# KiCad board keys.kicad_pcb (continued)
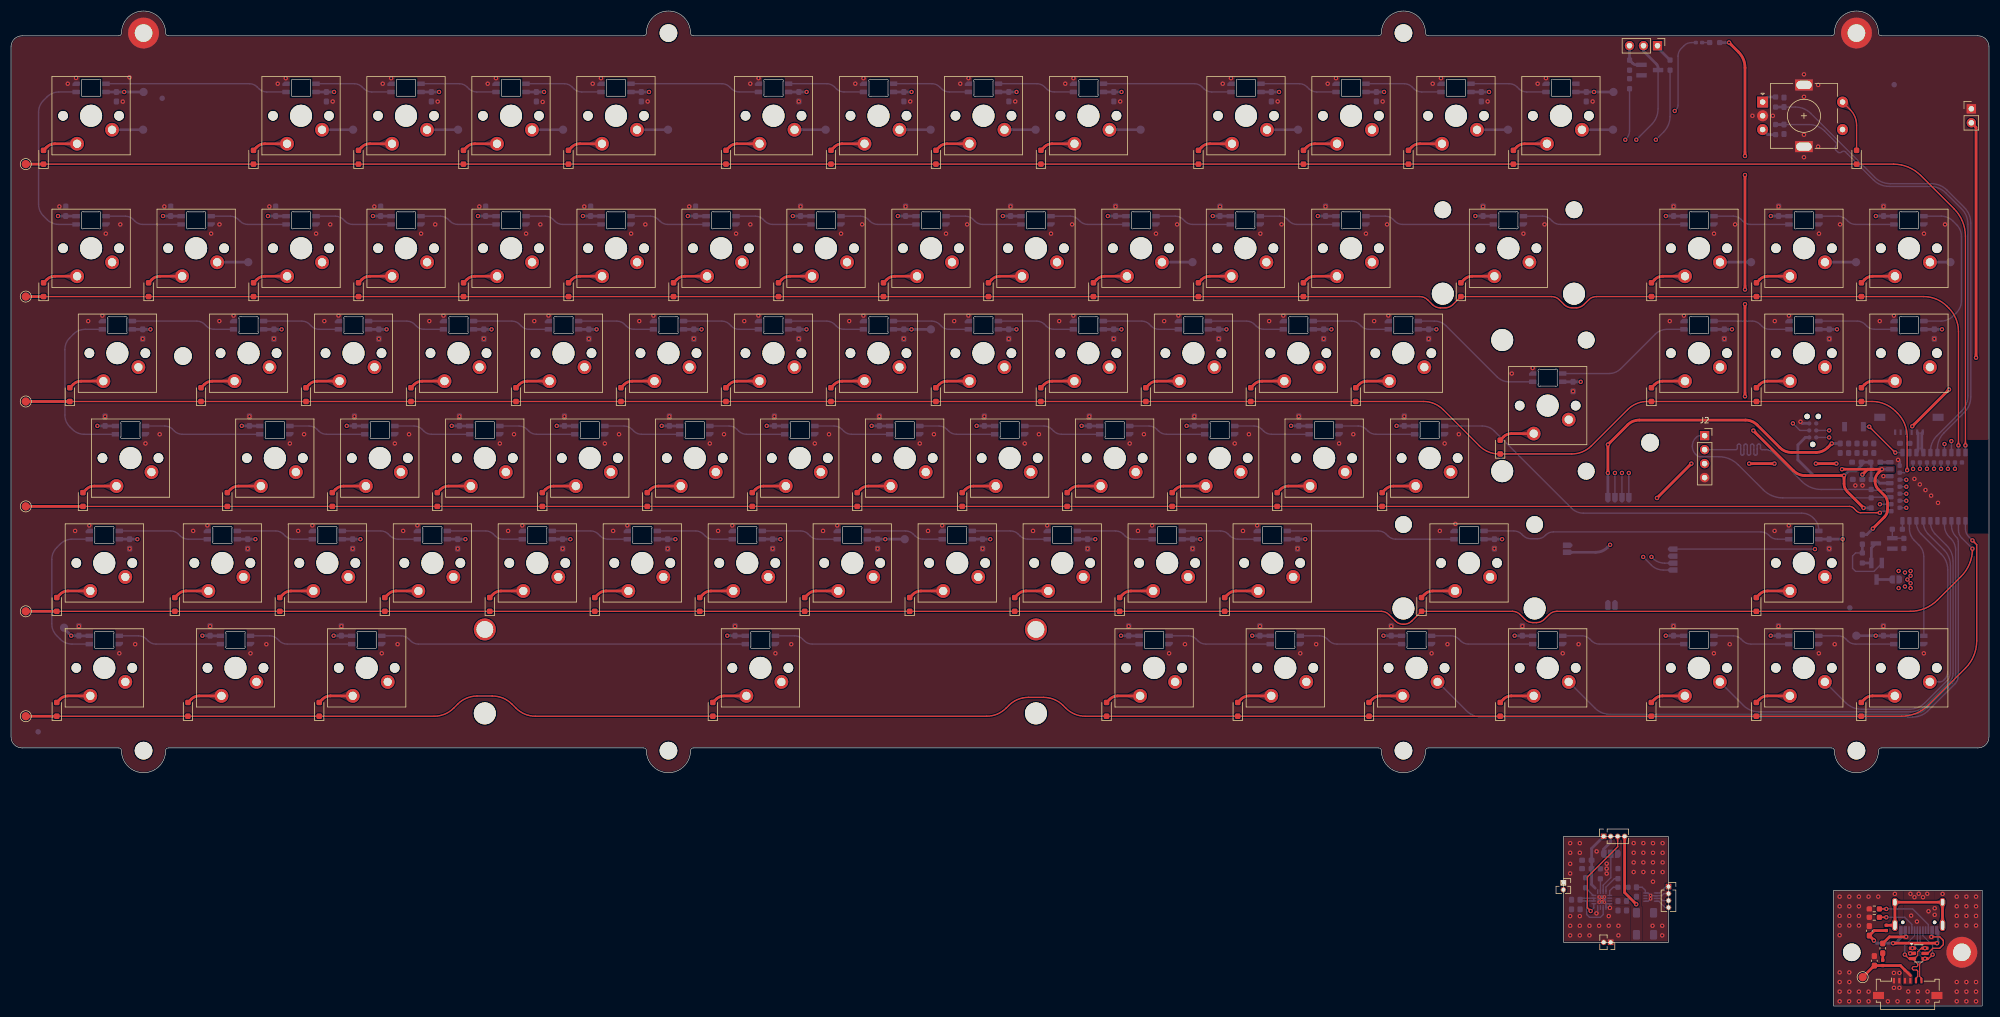
[diagram p0: board, top side]
## Placement (name value [footprint] x y rotation side) (continued)
LED45  MX_SK6812MINI-E  [LED_MX_6028R]  62.15 123.61 0 bottom
LED46  MX_SK6812MINI-E  [LED_MX_6028R]  43.11 123.61 0 bottom
LED47  MX_SK6812MINI-E  [LED_MX_6028R]  19.3 123.61 0 bottom
LED48  MX_SK6812MINI-E  [LED_MX_6028R-ROT]  21.67 104.56 0 bottom
LED49  MX_SK6812MINI-E  [LED_MX_6028R-ROT]  47.88 104.56 0 bottom
LED50  MX_SK6812MINI-E  [LED_MX_6028R-ROT]  66.92 104.56 0 bottom
LED51  MX_SK6812MINI-E  [LED_MX_6028R-ROT]  85.97 104.56 0 bottom
LED52  MX_SK6812MINI-E  [LED_MX_6028R-ROT]  105.03 104.56 0 bottom
LED53  MX_SK6812MINI-E  [LED_MX_6028R-ROT]  124.08 104.56 0 bottom
LED54  MX_SK6812MINI-E  [LED_MX_6028R-ROT]  143.13 104.56 0 bottom
LED55  MX_SK6812MINI-E  [LED_MX_6028R-ROT]  162.18 104.56 0 bottom
LED56  MX_SK6812MINI-E  [LED_MX_6028R-ROT]  181.23 104.56 0 bottom
LED57  MX_SK6812MINI-E  [LED_MX_6028R-ROT]  200.27 104.56 0 bottom
LED58  MX_SK6812MINI-E  [LED_MX_6028R-ROT]  219.33 104.56 0 bottom
LED59  MX_SK6812MINI-E  [LED_MX_6028R-ROT]  238.27 104.56 0 bottom
LED60  MX_SK6812MINI-E  [LED_MX_6028R-ROT]  257.43 104.56 0 bottom
LED61  MX_SK6812MINI-E  [LED_MX_6028R]  325.32 85.51 0 bottom
LED62  MX_SK6812MINI-E  [LED_MX_6028R]  264.57 85.51 0 bottom
LED63  MX_SK6812MINI-E  [LED_MX_6028R]  228.86 85.51 0 bottom
LED64  MX_SK6812MINI-E  [LED_MX_6028R]  209.8 85.51 0 bottom
LED65  MX_SK6812MINI-E  [LED_MX_6028R]  190.75 85.51 0 bottom
LED66  MX_SK6812MINI-E  [LED_MX_6028R]  171.7 85.51 0 bottom
LED67  MX_SK6812MINI-E  [LED_MX_6028R]  152.65 85.51 0 bottom
LED68  MX_SK6812MINI-E  [LED_MX_6028R]  133.61 85.51 0 bottom
LED69  MX_SK6812MINI-E  [LED_MX_6028R]  114.55 85.51 0 bottom
LED70  MX_SK6812MINI-E  [LED_MX_6028R]  95.5 85.51 0 bottom
LED71  MX_SK6812MINI-E  [LED_MX_6028R]  76.45 85.51 0 bottom
LED72  MX_SK6812MINI-E  [LED_MX_6028R]  57.4 85.51 0 bottom
LED73  MX_SK6812MINI-E  [LED_MX_6028R]  38.35 85.51 0 bottom
LED74  MX_SK6812MINI-E  [LED_MX_6028R]  16.92 85.51 0 bottom
LED75  MX_SK6812MINI-E  [LED_MX_6028R-ROT]  16.92 66.46 0 bottom
LED76  MX_SK6812MINI-E  [LED_MX_6028R-ROT]  40.73 66.46 0 bottom
LED77  MX_SK6812MINI-E  [LED_MX_6028R-ROT]  64.55 66.46 0 bottom
LED78  MX_SK6812MINI-E  [LED_MX_6028R-ROT]  135.98 66.46 0 bottom
LED79  MX_SK6812MINI-E  [LED_MX_6028R-ROT]  207.43 66.46 0 bottom
LED80  MX_SK6812MINI-E  [LED_MX_6028R-ROT]  231.23 66.46 0 bottom
LED81  MX_SK6812MINI-E  [LED_MX_6028R-ROT]  255.06 66.46 0 bottom
LED82  MX_SK6812MINI-E  [LED_MX_6028R-ROT]  278.86 66.46 0 bottom
LED83  MX_SK6812MINI-E  [LED_MX_6028R-ROT]  306.28 66.46 0 bottom
LED84  MX_SK6812MINI-E  [LED_MX_6028R-ROT]  325.32 66.46 0 bottom
LED85  MX_SK6812MINI-E  [LED_MX_6028R-ROT]  344.38 66.46 0 bottom
Q1  AO3401A  [SOT-23_Handsoldering]  338.53 78.94 270 bottom
Q2  2N7002  [SOT-23_Handsoldering]  339.9 83.98 180 bottom
Q3  2N7002  [SOT-23_Handsoldering]  297.38 169.94 0 bottom
R1  5.1k  [R_0603_1608Metric_Pad0.98x0.95mm_HandSolder]  338.12 16.1 180 top
R2  5.1k  [R_0603_1608Metric_Pad0.98x0.95mm_HandSolder]  338.12 17.62 180 top
R4  10k  [R_0603_1608Metric_Pad0.98x0.95mm_HandSolder]  337.55 91.35 90 bottom
R5  10k  [R_0603_1608Metric_Pad0.98x0.95mm_HandSolder]  337.55 94.7 270 bottom
R6  10k  [R_0603_1608Metric_Pad0.98x0.95mm_HandSolder]  292.51 21.56 0 bottom
R7  47k  [R_0603_1608Metric_Pad0.98x0.95mm_HandSolder]  288.4 24 90 bottom
R8  1k5  [R_0603_1608Metric_Pad0.98x0.95mm_HandSolder]  285.73 22.37 90 bottom
R9  2k2  [R_0603_1608Metric_Pad0.98x0.95mm_HandSolder]  291.6 24.04 90 bottom
R11  10k  [R_0603_1608Metric_Pad0.98x0.95mm_HandSolder]  335.95 81.35 270 bottom
R12  100R  [R_0603_1608Metric_Pad0.98x0.95mm_HandSolder]  342.3 86.56 0 bottom
R13  10k  [R_0603_1608Metric_Pad0.98x0.95mm_HandSolder]  343.48 83.98 90 bottom
R14  1k  [R_0603_1608Metric_Pad0.98x0.95mm_HandSolder]  320.2 164.13 270 bottom
R16  100k  [R_0603_1608Metric_Pad0.98x0.95mm_HandSolder]  301.05 170.84 90 bottom
R17  1k  [R_0603_1608Metric_Pad0.98x0.95mm_HandSolder]  320.2 159.13 90 bottom
R18  100R  [R_0603_1608Metric_Pad0.98x0.95mm_HandSolder]  293.7 167.46 90 bottom
R19  10k  [R_0603_1608Metric_Pad0.98x0.95mm_HandSolder]  293.7 170.84 90 bottom
R20  1.5k  [R_0603_1608Metric_Pad0.98x0.95mm_HandSolder]  309.15 174.94 0 bottom
S1  MX_stab  [STAB_MX_P_6.25u]  135.98 61.38 0 top
S2  MX_stab  [STAB_MX_2u]  271.72 137.58 0 top
S3  MX_stab  [STAB_MX_ISO-ROT]  278.85 109.01 0 top
S4  MX_stab  [STAB_MX_2.75u]  264.57 80.44 0 top
SW1  SW_Push  [SW_Cherry_MX_PCB_1.00u]  14.52 161.63 180 top
SW2  SW_Push  [SW_Cherry_MX_PCB_1.00u]  52.62 161.63 180 top
SW3  SW_Push  [SW_Cherry_MX_PCB_1.00u]  71.67 161.63 180 top
SW4  SW_Push  [SW_Cherry_MX_PCB_1.00u]  90.72 161.63 180 top
SW5  SW_Push  [SW_Cherry_MX_PCB_1.00u]  109.77 161.63 180 top
SW6  SW_Push  [SW_Cherry_MX_PCB_1.00u]  138.37 161.64 180 top
SW7  SW_Push  [SW_Cherry_MX_PCB_1.00u]  157.42 161.64 180 top
SW8  SW_Push  [SW_Cherry_MX_PCB_1.00u]  176.46 161.64 180 top
SW9  SW_Push  [SW_Cherry_MX_PCB_1.00u]  195.51 161.64 180 top
SW10  SW_Push  [SW_Cherry_MX_PCB_1.00u]  224.1 161.63 180 top
SW11  SW_Push  [SW_Cherry_MX_PCB_1.00u]  243.16 161.63 180 top
SW12  SW_Push  [SW_Cherry_MX_PCB_1.00u]  262.2 161.63 180 top
SW13  SW_Push  [SW_Cherry_MX_PCB_1.00u]  281.25 161.63 180 top
SW14  SW_Push  [SW_Cherry_MX_PCB_1.00u]  14.53 137.58 180 top
SW15  SW_Push  [SW_Cherry_MX_PCB_1.00u]  33.59 137.58 180 top
SW16  SW_Push  [SW_Cherry_MX_PCB_1.00u]  52.63 137.58 180 top
SW17  SW_Push  [SW_Cherry_MX_PCB_1.00u]  71.69 137.58 180 top
SW18  SW_Push  [SW_Cherry_MX_PCB_1.00u]  90.74 137.58 180 top
SW19  SW_Push  [SW_Cherry_MX_PCB_1.00u]  109.8 137.58 180 top
SW20  SW_Push  [SW_Cherry_MX_PCB_1.00u]  128.84 137.58 180 top
SW21  SW_Push  [SW_Cherry_MX_PCB_1.00u]  147.89 137.58 180 top
SW22  SW_Push  [SW_Cherry_MX_PCB_1.00u]  166.94 137.58 180 top
SW23  SW_Push  [SW_Cherry_MX_PCB_1.00u]  185.99 137.58 180 top
SW24  SW_Push  [SW_Cherry_MX_PCB_1.00u]  205.04 137.58 180 top
SW25  SW_Push  [SW_Cherry_MX_PCB_1.00u]  223.99 137.58 180 top
SW26  SW_Push  [SW_Cherry_MX_PCB_1.00u]  243.14 137.58 180 top
SW27  SW_Push  [SW_Cherry_MX_PCB_2.00u]  271.72 137.58 180 top
SW28  SW_Push  [SW_Cherry_MX_PCB_1.00u]  306.3 137.58 180 top
SW29  SW_Push  [SW_Cherry_MX_PCB_1.00u]  325.35 137.58 180 top
SW30  SW_Push  [SW_Cherry_MX_PCB_1.00u]  344.4 137.58 180 top
SW31  SW_Push  [SW_Cherry_MX_PCB_1.50u]  19.3 118.53 180 top
SW32  SW_Push  [SW_Cherry_MX_PCB_1.00u]  43.11 118.53 180 top
SW33  SW_Push  [SW_Cherry_MX_PCB_1.00u]  62.15 118.53 180 top
SW34  SW_Push  [SW_Cherry_MX_PCB_1.00u]  81.2 118.53 180 top
SW35  SW_Push  [SW_Cherry_MX_PCB_1.00u]  100.26 118.53 180 top
SW36  SW_Push  [SW_Cherry_MX_PCB_1.00u]  119.3 118.53 180 top
SW37  SW_Push  [SW_Cherry_MX_PCB_1.00u]  138.35 118.53 180 top
SW38  SW_Push  [SW_Cherry_MX_PCB_1.00u]  157.4 118.53 180 top
SW39  SW_Push  [SW_Cherry_MX_PCB_1.00u]  176.45 118.53 180 top
SW40  SW_Push  [SW_Cherry_MX_PCB_1.00u]  195.5 118.53 180 top
SW41  SW_Push  [SW_Cherry_MX_PCB_1.00u]  214.56 118.53 180 top
SW42  SW_Push  [SW_Cherry_MX_PCB_1.00u]  233.6 118.53 180 top
SW43  SW_Push  [SW_Cherry_MX_PCB_1.00u]  252.65 118.53 180 top
SW44  SW_Push  [SW_Cherry_MX_PCB_ISOEnter_180deg]  278.85 109.01 180 top
SW45  SW_Push  [SW_Cherry_MX_PCB_1.00u]  306.3 118.53 180 top
SW46  SW_Push  [SW_Cherry_MX_PCB_1.00u]  325.35 118.53 180 top
SW47  SW_Push  [SW_Cherry_MX_PCB_1.00u]  344.4 118.53 180 top
SW48  SW_Push  [SW_Cherry_MX_PCB_1.75u]  21.67 99.48 180 top
SW49  SW_Push  [SW_Cherry_MX_PCB_1.00u]  47.88 99.48 180 top
SW50  SW_Push  [SW_Cherry_MX_PCB_1.00u]  66.92 99.48 180 top
SW51  SW_Push  [SW_Cherry_MX_PCB_1.00u]  85.97 99.48 180 top
SW52  SW_Push  [SW_Cherry_MX_PCB_1.00u]  105.03 99.48 180 top
SW53  SW_Push  [SW_Cherry_MX_PCB_1.00u]  124.08 99.48 180 top
SW54  SW_Push  [SW_Cherry_MX_PCB_1.00u]  143.13 99.48 180 top
SW55  SW_Push  [SW_Cherry_MX_PCB_1.00u]  162.18 99.48 180 top
SW56  SW_Push  [SW_Cherry_MX_PCB_1.00u]  181.23 99.48 180 top
SW57  SW_Push  [SW_Cherry_MX_PCB_1.00u]  200.27 99.48 180 top
SW58  SW_Push  [SW_Cherry_MX_PCB_1.00u]  219.33 99.48 180 top
SW59  SW_Push  [SW_Cherry_MX_PCB_1.00u]  238.28 99.48 180 top
SW60  SW_Push  [SW_Cherry_MX_PCB_1.00u]  257.43 99.48 180 top
SW61  SW_Push  [SW_Cherry_MX_PCB_1.25u]  16.92 80.44 180 top
SW62  SW_Push  [SW_Cherry_MX_PCB_1.00u]  38.35 80.44 180 top
SW63  SW_Push  [SW_Cherry_MX_PCB_1.00u]  57.4 80.44 180 top
SW64  SW_Push  [SW_Cherry_MX_PCB_1.00u]  76.45 80.44 180 top
SW65  SW_Push  [SW_Cherry_MX_PCB_1.00u]  95.5 80.44 180 top
SW66  SW_Push  [SW_Cherry_MX_PCB_1.00u]  114.55 80.44 180 top
SW67  SW_Push  [SW_Cherry_MX_PCB_1.00u]  133.61 80.44 180 top
SW68  SW_Push  [SW_Cherry_MX_PCB_1.00u]  152.65 80.44 180 top
SW69  SW_Push  [SW_Cherry_MX_PCB_1.00u]  171.7 80.44 180 top
SW70  SW_Push  [SW_Cherry_MX_PCB_1.00u]  190.75 80.44 180 top
SW71  SW_Push  [SW_Cherry_MX_PCB_1.00u]  209.8 80.44 180 top
SW72  SW_Push  [SW_Cherry_MX_PCB_1.00u]  228.86 80.44 180 top
SW73  SW_Push  [SW_Cherry_MX_PCB_2.75u]  264.57 80.44 180 top
SW74  SW_Push  [SW_Cherry_MX_PCB_1.00u]  325.32 80.44 180 top
SW75  SW_Push  [SW_Cherry_MX_PCB_1.25u]  16.92 61.38 180 top
SW76  SW_Push  [SW_Cherry_MX_PCB_1.25u]  40.73 61.38 180 top
SW77  SW_Push  [SW_Cherry_MX_PCB_1.25u]  64.55 61.38 180 top
SW78  SW_Push  [SW_Cherry_MX_PCB_6.25u]  135.98 61.38 180 top
SW79  SW_Push  [SW_Cherry_MX_PCB_1.25u]  207.43 61.38 180 top
SW80  SW_Push  [SW_Cherry_MX_PCB_1.25u]  231.23 61.38 180 top
SW81  SW_Push  [SW_Cherry_MX_PCB_1.25u]  255.06 61.38 180 top
SW82  SW_Push  [SW_Cherry_MX_PCB_1.25u]  278.86 61.38 180 top
SW83  SW_Push  [SW_Cherry_MX_PCB_1.00u]  306.28 61.38 180 top
SW84  SW_Push  [SW_Cherry_MX_PCB_1.00u]  325.33 61.38 180 top
SW85  SW_Push  [SW_Cherry_MX_PCB_1.00u]  344.38 61.38 180 top
SW86  RotaryEncoder_Switch  [RotaryEncoder_Alps_EC11E-Switch_Vertical_H20mm]  317.85 164.13 0 top
SW87  SW_DPDT_x2  [PinHeader_1x03_P2.54mm_Vertical]  298.78 174.36 270 top
SW88  RST  [SW_SPST_B3U-1000P]  334.43 105.19 0 bottom
TP1  5V_F  [TestPoint_Pad_D1.5mm]  336 5.22 270 top
TP2  C0  [TestPoint_Pad_D1.5mm]  23.97 159.11 180 bottom
TP3  C1  [TestPoint_Pad_D1.5mm]  43.05 135.06 180 bottom
TP4  C2  [TestPoint_Pad_D1.5mm]  62.08 159.11 180 bottom
TP5  C3  [TestPoint_Pad_D1.5mm]  81.12 159.11 180 bottom
TP6  C4  [TestPoint_Pad_D1.5mm]  100.17 159.11 180 bottom
TP7  C5  [TestPoint_Pad_D1.5mm]  119.23 159.11 180 bottom
TP8  C6  [TestPoint_Pad_D1.5mm]  147.82 159.11 180 bottom
TP9  C7  [TestPoint_Pad_D1.5mm]  166.88 159.11 180 bottom
TP10  C8  [TestPoint_Pad_D1.5mm]  185.93 159.11 180 bottom
TP11  C9  [TestPoint_Pad_D1.5mm]  204.98 159.11 180 bottom
TP12  C10  [TestPoint_Pad_D1.5mm]  214.4 135.06 180 bottom
TP13  C11  [TestPoint_Pad_D1.5mm]  233.55 159.11 180 bottom
TP14  C12  [TestPoint_Pad_D1.5mm]  271.65 159.11 180 bottom
TP15  C13  [TestPoint_Pad_D1.5mm]  290.7 159.11 180 bottom
TP16  C14  [TestPoint_Pad_D1.5mm]  315.75 135.06 180 bottom
TP17  C15  [TestPoint_Pad_D1.5mm]  334.8 135.06 180 bottom
TP18  C16  [TestPoint_Pad_D1.5mm]  351.93 135.06 180 bottom
TP21  R0  [TestPoint_Pad_D1.5mm]  2.67 152.86 0 top
TP22  R1  [TestPoint_Pad_D1.5mm]  2.67 128.81 0 top
TP23  R2  [TestPoint_Pad_D1.5mm]  2.67 109.76 0 top
TP24  R3  [TestPoint_Pad_D1.5mm]  2.67 90.71 0 top
TP25  R4  [TestPoint_Pad_D1.5mm]  2.67 71.66 0 top
TP26  R5  [TestPoint_Pad_D1.5mm]  2.67 52.61 0 top
TP27  LED_PWR  [TestPoint_Pad_D1.5mm]  290.78 165.96 180 bottom
TP28  LED_PWR  [TestPoint_Pad_D1.5mm]  166.93 122.86 180 bottom
TP29  LED_PWR  [TestPoint_Pad_D1.5mm]  24.05 165.96 180 bottom
TP30  LED_PWR  [TestPoint_Pad_D1.5mm]  334.85 67.23 180 bottom
TP31  LED_PWR  [TestPoint_Pad_D1.5mm]  162.18 84.76 180 bottom
TP32  LED_PWR  [TestPoint_Pad_D1.5mm]  9.62 68.69 180 bottom
U2  MAX17048  [DFN-8-1EP_2x2mm_P0.5mm_EP0.7x1.3mm]  297.53 19.77 0 bottom
U3  BQ24075  [VQFN-16-1EP_3x3mm_P0.5mm_EP1.6x1.6mm]  288.67 19.32 180 bottom
U5  SRV05-4  [SOT-23-6]  346.18 9.55 0 top
U6  -  [nRF52840_E73-2G4M08S1C]  349.62 94.28 90 bottom

## Library data of the parts
BT1 BT2 = -: Description: Single-cell battery
C1 C2 C88-C92 C94-C98 C101-C104 = -: Notes: X7R, 10%; ki_fp_filters: C_*
C3-C87 C99 C100 = -: Description: Unpolarized capacitor, small symbol; LCSC: C1525; ki_fp_filters: C_*
C93 = -: LCSC: C1525; ki_fp_filters: C_*
D1-D30 D32-D86 D88 = -: Datasheet: https://assets.nexperia.com/documents/data-sheet/1N4148_1N4448.pdf; ki_fp_filters: D*DO?35*
D87 = -: Description: Light emitting diode, small symbol; ki_fp_filters: LED* LED_SMD:* LED_THT:*
F1 = -: ki_fp_filters: *Fuse*
F2 = -: Description: Fuse; ki_fp_filters: *Fuse*
FID1-FID4 = -: ki_fp_filters: Fiducial*
H1-H8 H11 = -: ki_fp_filters: MountingHole*
H9 H10 H12 = -: Description: Mounting Hole with connection; ki_fp_filters: MountingHole*Pad*
J1 = -: Datasheet: https://www.usb.org/sites/default/files/documents/usb_type-c.zip; Description: USB 2.0-only 16P Type-C Receptacle connector; ki_fp_filters: USB*C*Receptacle*
J2 J7 J10 J11 J14 = -: Description: Generic connector, single row, 01x04, script generated (kicad-library-utils/schlib/autogen/connector/); ki_fp_filters: Connector*:*_1x??_*
J3 = -: Description: 6-pin TC2030 connector for SWD programming; ki_fp_filters: IDC?Header*2x03* Pin?Header*2x03*
J4 J8 J9 J12 J13 = -: Description: Generic connector, single row, 01x02, script generated (kicad-library-utils/schlib/autogen/connector/); ki_fp_filters: Connector*:*_1x??_*
J5 J6 = -: Description: Generic connectable mounting pin connector, single row, 01x06, script generated (kicad-library-utils/schlib/autogen/connector/); ki_fp_filters: Connector*:*_1x??-1MP*
JP1 = -: Description: Solder Jumper, 2-pole, open; ki_fp_filters: SolderJumper*Open*
JP2 = -: Description: Solder Jumper, 3-pole, open; ki_fp_filters: SolderJumper*Open*
L1 L2 = -: Description: blm15px121sn1d; ki_fp_filters: Choke_* *Coil* Inductor_* L_*
L3 = -: Description: Inductor, small symbol; ki_fp_filters: Choke_* *Coil* Inductor_* L_*
LED1-LED85 = -: Description: Reverse mount adressable LED (WS2812 protocol)
Q1 = -: Datasheet: https://www.tme.eu/Document/d25b071532a0a1e329733a03427696ee/AO3401A-DTE.pdf; Description: SOT-23 P-MOSFET enchancement mode transistor, 30V, 4A, 1.4W, Alternate KiCAD Library
Q2 = -: Datasheet: https://www.tme.eu/Document/7df5cae36abdfcedddb681f5be886f05/2N7000.pdf; Description: SOT-23 N-MOSFET enchancement mode transistor, 60V, 115mA, 200mW, Alternate KiCAD Library
Q3 = -: Datasheet: https://www.onsemi.com/pub/Collateral/NDS7002A-D.PDF; ki_fp_filters: SOT?23*
R1 R2 R11-R14 R16-R20 = -: Description: Resistor, small symbol; ki_fp_filters: R_*
R4-R9 = -: ki_fp_filters: R_*
S1-S4 = -: Description: Cherry MX-style stabilizer
SW86 = -: ki_fp_filters: RotaryEncoder*Switch*
SW87 = -: ki_fp_filters: SW*DPDT*
SW88 = -: Description: Push button switch, generic, two pins
TP1-TP18 TP21-TP32 = -: ki_fp_filters: Pin* Test*
U2 = -: Datasheet: https://datasheets.maximintegrated.com/en/ds/MAX17048-MAX17049.pdf
U3 = -: Datasheet: http://www.ti.com/lit/ds/symlink/bq24075.pdf; ki_fp_filters: VQFN*1EP*3x3mm*P0.5mm*
U5 = -: Datasheet: http://www.onsemi.com/pub/Collateral/SRV05-4-D.PDF; ki_fp_filters: SOT?23*
U6 = -: Datasheet: https://www.ebyte.com/en/downpdf.aspx?id=445; Description: nRF52840 BT LE module

## Footprints (pads in the part's own frame, mm; a bottom-side part is the same pattern mirrored in y, then rotated)
C_0603_1608Metric_Pad1.08x0.95mm_HandSolder
  rrect 1.075x0.95 smd: 1(-0.863,0) 2(0.863,0)
CON_TC2030_outlined
  round 0.991 hole 0.991 unplated: (-2.54,0) (2.54,-1.016) (2.54,1.016)
  round 0.787 smd: 1(-1.27,-0.635) 2(-1.27,0.635) 3(0,-0.635) 4(0,0.635) 5(1.27,-0.635) 6(1.27,0.635)
D_SOD-323_HandSoldering
  rrect 1x1 smd: 1(-1.25,0) 2(1.25,0)
DFN-8-1EP_2x2mm_P0.5mm_EP0.7x1.3mm
  rrect 0.28x0.52 smd: (-0.175,-0.325) (-0.175,0.325) (0.175,-0.325) (0.175,0.325)
  rrect 0.775x0.25 smd: 1(-0.963,0.75) 2(-0.963,0.25) 3(-0.963,-0.25) 4(-0.963,-0.75) 5(0.963,-0.75) 6(0.963,-0.25) 7(0.963,0.25) 8(0.963,0.75)
  rrect 0.7x1.3 smd: 9(0,0)
Fiducial_1mm_Mask2mm
  round 1 smd: (0,0)
Fuse_0603_1608Metric_Pad1.05x0.95mm_HandSolder
  rrect 1.05x0.95 smd: 1(-0.875,0) 2(0.875,0)
L_0402_1005Metric
  rrect 0.59x0.64 smd: 1(-0.485,0) 2(0.485,0)
L_0603_1608Metric_Pad1.05x0.95mm_HandSolder
  rrect 1.05x0.95 smd: 1(-0.875,0) 2(0.875,0)
LED_0402_1005Metric_Pad0.77x0.64mm_HandSolder
  rrect 0.765x0.64 smd: 1(-0.573,0) 2(0.573,0)
LED_MX_6028R
  rrect 1.35x0.82 smd: 1(2.725,0.75) 2(2.725,-0.75) 3(-2.725,0.75) 4(-2.725,-0.75)
LED_MX_6028R-ROT
  rrect 1.35x0.82 smd: 1(-2.725,-0.75) 2(-2.725,0.75) 3(2.725,-0.75) 4(2.725,0.75)
Molex_200528-0060_1x06-1MP_P1.00mm_Horizontal
  rect 0.4x1 smd: 1(-2.5,0.91) 2(-1.5,0.91) 3(-0.5,0.91) 4(0.5,0.91) 5(1.5,0.91) 6(2.5,0.91)
  rect 2x1.3 smd: MP(-5.3,-1.79) MP(5.3,-1.79)
MountingHole_3.2mm_M3_DIN965
  round 3.2 hole 3.2 unplated: (0,0)
MountingHole_3.2mm_M3_DIN965_Pad_TopBottom
  round 3.6 hole 3.2: 1(0,0)
  round 5.6 smd: 1(0,0)
  round 5.6 smd far side: 1(0,0)
nRF52840_E73-2G4M08S1C
  rrect 1.4x0.8 smd: 1(-6.2,5.03) 2(-6.2,3.76) 3(-6.2,2.49) 4(-6.2,1.22) 5(-6.2,-0.05) 6(-6.2,-1.32) 7(-6.2,-2.59) 8(-6.2,-3.86) 9(-6.2,-5.13) 10(-6.2,-6.4) 26(6.2,-6.4) 27(6.2,-5.13) 29(6.2,-3.86) 31(6.2,-2.59) 33(6.2,-1.32) 35(6.2,-0.05) 37(6.2,1.22) 39(6.2,2.49) 41(6.2,3.76) 43(6.2,5.03)
  rrect 0.8x1.4 smd: 11(-4.44,-8.7) 13(-3.17,-8.7) 15(-1.9,-8.7) 17(-0.63,-8.7) 19(0.64,-8.7) 21(1.91,-8.7) 23(3.18,-8.7) 25(4.45,-8.7)
  rrect 0.8x0.8 smd: 12(-3.81,-6.9) 14(-2.54,-6.9) 16(-1.27,-6.9) 18(0,-6.9) 20(1.27,-6.9) 22(2.54,-6.9) 24(3.81,-6.9) 28(4.4,-4.495) 30(4.4,-3.225) 32(4.4,-1.955) 34(4.4,-0.685) 36(4.4,0.585) 38(4.4,1.855) 40(4.4,3.125) 42(4.4,4.395)
PinHeader_1x02_P2.54mm_Vertical
  rect 1.7x1.7 hole 1: 1(0,0)
  oval 1.7x1.7 hole 1: 2(0,-2.54)
PinHeader_1x03_P2.54mm_Vertical
  rect 1.7x1.7 hole 1: 1(0,0)
  oval 1.7x1.7 hole 1: 2(0,-2.54) 3(0,-5.08)
PinSocket_1x02_P1.27mm_Vertical
  rect 1x1 hole 0.7: 1(0,0)
  oval 1x1 hole 0.7: 2(0,-1.27)
PinSocket_1x02_P1.27mm_Vertical#2
  rrect 1.75x1 smd: 1(0,0) 2(0,-1.275)
PinSocket_1x04_P1.27mm_Vertical
  rect 1x1 hole 0.7: 1(0,0)
  oval 1x1 hole 0.7: 2(0,-1.27) 3(0,-2.54) 4(0,-3.81)
PinSocket_1x04_P1.27mm_Vertical#2
  rrect 1.75x1 smd: 1(0,0) 2(0,-1.275) 3(0,-2.55) 4(0,-3.8)
PinSocket_1x04_P2.54mm_Vertical
  rect 1.7x1.7 hole 1: 1(0,0)
  oval 1.7x1.7 hole 1: 2(0,-2.54) 3(0,-5.08) 4(0,-7.62)
R_0603_1608Metric_Pad0.98x0.95mm_HandSolder
  rrect 0.975x0.95 smd: 1(-0.912,0) 2(0.912,0)
R_1206_3216Metric_Pad1.30x1.75mm_HandSolder
  rrect 1.3x1.75 smd: 1(-1.55,0) 2(1.55,0)
RotaryEncoder_Alps_EC11E-Switch_Vertical_H20mm
  rect 2x2 hole 1: A(0,0)
  round 2 hole 1: B(0,-5) C(0,-2.5) S1(14.5,-5) S2(14.5,0)
  rect 3.2x2 hole 2.8x1.5: MP(7.5,3.1) MP(7.5,-8.1)
SolderJumper-2_P1.3mm_Open_RoundedPad1.0x1.5mm
  custom 1x1.5 smd: 1(-0.65,0) 2(0.65,0)
SolderJumper-3_P1.3mm_Open_RoundedPad1.0x1.5mm
  custom 1.05x1.5 smd: 1(-1.3,0) 3(1.3,0)
  rect 1x1.5 smd: 2(0,0)
SOT-23-6
  rrect 1.325x0.6 smd: 1(-1.137,0.95) 2(-1.137,0) 3(-1.137,-0.95) 4(1.137,-0.95) 5(1.137,0) 6(1.137,0.95)
SOT-23_Handsoldering
  rect 1.9x0.8 smd: 1(-1.5,0.95) 2(-1.5,-0.95) 3(1.5,0)
STAB_MX_2.75u
  round 3.048 hole 3.048 unplated: (-11.906,6.985) (11.906,6.985)
  round 3.988 hole 3.988 unplated: (-11.906,-8.255) (11.906,-8.255)
STAB_MX_2u
  round 3.048 hole 3.048 unplated: (-11.906,6.985) (11.906,6.985)
  round 3.988 hole 3.988 unplated: (-11.906,-8.255) (11.906,-8.255)
STAB_MX_ISO-ROT
  round 3.988 hole 3.988 unplated: (-8.255,11.906) (-8.255,-11.906)
  round 3.048 hole 3.048 unplated: (6.985,11.906) (6.985,-11.906)
STAB_MX_P_6.25u
  round 4 hole 3.048: (-50.006,6.985) (50.006,6.985)
  round 3.988 hole 3.988 unplated: (-50.006,-8.255) (50.006,-8.255)
SW_Cherry_MX_PCB_1.00u
  round 1.75 hole 1.75 unplated: (-5.08,0) (5.08,0)
  round 4 hole 4 unplated: (0,0)
  round 2.5 hole 1.5: 1(-3.81,2.54) 2(2.54,5.08)
SW_Cherry_MX_PCB_1.25u
  round 1.75 hole 1.75 unplated: (-5.08,0) (5.08,0)
  round 4 hole 4 unplated: (0,0)
  round 2.5 hole 1.5: 1(-3.81,2.54) 2(2.54,5.08)
SW_Cherry_MX_PCB_1.50u
  round 1.75 hole 1.75 unplated: (-5.08,0) (5.08,0)
  round 4 hole 4 unplated: (0,0)
  round 2.5 hole 1.5: 1(-3.81,2.54) 2(2.54,5.08)
SW_Cherry_MX_PCB_1.75u
  round 1.75 hole 1.75 unplated: (-5.08,0) (5.08,0)
  round 4 hole 4 unplated: (0,0)
  round 2.5 hole 1.5: 1(-3.81,2.54) 2(2.54,5.08)
SW_Cherry_MX_PCB_2.00u
  round 1.75 hole 1.75 unplated: (-5.08,0) (5.08,0)
  round 4 hole 4 unplated: (0,0)
  round 2.5 hole 1.5: 1(-3.81,2.54) 2(2.54,5.08)
SW_Cherry_MX_PCB_2.75u
  round 1.75 hole 1.75 unplated: (-5.08,0) (5.08,0)
  round 4 hole 4 unplated: (0,0)
  round 2.5 hole 1.5: 1(-3.81,2.54) 2(2.54,5.08)
SW_Cherry_MX_PCB_6.25u
  round 1.75 hole 1.75 unplated: (-5.08,0) (5.08,0)
  round 4 hole 4 unplated: (0,0)
  round 2.5 hole 1.5: 1(-3.81,2.54) 2(2.54,5.08)
SW_Cherry_MX_PCB_ISOEnter_180deg
  round 1.75 hole 1.75 unplated: (-5.08,0) (5.08,0)
  round 4 hole 4 unplated: (0,0)
  round 2.5 hole 1.5: 1(-3.81,2.54) 2(2.54,5.08)
SW_SPST_B3U-1000P
  rect 0.9x1.7 smd: 1(-1.7,0) 2(1.7,0)
TestPoint_Pad_D1.5mm
  round 1.5 smd: 1(0,0)
USB_C_Receptacle_HRO_TYPE-C-31-M-12
  round 0.65 hole 0.65 unplated: (-2.89,2.6) (2.89,2.6)
  rect 0.6x1.45 smd: A1(-3.25,4.045) A4(-2.45,4.045) A9(2.45,4.045) A12(3.25,4.045) B1(3.25,4.045) B4(2.45,4.045) B9(-2.45,4.045) B12(-3.25,4.045)
  rect 0.3x1.45 smd: A5(-1.25,4.045) A6(-0.25,4.045) A7(0.25,4.045) A8(1.25,4.045) B5(1.75,4.045) B6(0.75,4.045) B7(-0.75,4.045) B8(-1.75,4.045)
  oval 1x1.6 hole 0.6x1.2: S1(-4.32,-1.05) S1(4.32,-1.05)
  oval 1x2.1 hole 0.6x1.7: S1(-4.32,3.13) S1(4.32,3.13)
VQFN-16-1EP_3x3mm_P0.5mm_EP1.6x1.6mm
  rrect 0.64x0.64 smd: (-0.4,-0.4) (-0.4,0.4) (0.4,-0.4) (0.4,0.4)
  rrect 0.875x0.25 smd: 1(-1.438,0.75) 2(-1.438,0.25) 3(-1.438,-0.25) 4(-1.438,-0.75) 9(1.438,-0.75) 10(1.438,-0.25) 11(1.438,0.25) 12(1.438,0.75)
  rrect 0.25x0.875 smd: 5(-0.75,-1.438) 6(-0.25,-1.438) 7(0.25,-1.438) 8(0.75,-1.438) 13(0.75,1.438) 14(0.25,1.438) 15(-0.25,1.438) 16(-0.75,1.438)
  rect 1.6x1.6 smd: 17(0,0)

## Nets
+5V: C1.2 C2.2 C88.1 C89.1 C90.1 C97.1 C101.2 C102.2 C104.1 J4.2 J5.3 J5.4 J6.3 J6.4 J10.1 J11.1 L1.2 R18.1 TP1.1 U3.13 U6.27
GND: BT1.2 BT2.2 C1.1 C2.1 C3.2 C4.2 C5.2 C6.2 C7.2 C8.2 C9.2 C10.2 C11.2 C12.2 C13.2 C14.2 C15.2 C16.2 C17.2 C18.2 C19.2 C20.2 C21.2 C22.2 C23.2 C24.2 C25.2 C26.2 C27.2 C28.2 C29.2 C30.2 C31.2 C32.2 C33.2 C34.2 C35.2 C36.2 C37.2 C38.2 C39.2 C40.2 C41.2 C42.2 C43.2 C44.2 C45.2 C46.2 C47.2 C48.2 C49.2 C50.2 C51.2 C52.2 C53.2 C54.2 C55.2 C56.2 C57.2 C58.2 C59.2 C60.2 C61.2 C62.2 C63.2 C64.2 C65.2 C66.2 C67.2 C68.2 C69.2 C70.2 C71.2 C72.2 C73.2 C74.2 C75.2 C76.2 C77.2 C78.2 C79.2 C80.2 C81.2 C82.2 C83.2 C84.2 C85.2 C86.2 C87.2 C88.2 C89.2 C90.2 C91.2 C92.2 C93.2 C94.2 C95.2 C96.2 C97.2 C98.2 C99.2 C100.2 C101.1 C102.1 C103.2 C104.2 H9.1 H10.1 H12.1 J2.4 J3.5 J4.1 J5.1 J5.2 J5.MP J6.1 J6.2 J6.MP J7.2 J8.1 J8.2 J9.1 J12.1 J13.1 J13.2 J14.2 JP2.3 LED1.4 LED2.4 LED3.4 LED4.4 LED5.4 LED6.4 LED7.4 LED8.4 LED9.4 LED10.4 LED11.4 LED12.4 LED13.4 LED14.4 LED15.4 LED16.4 LED17.4 LED18.4 LED19.4 LED20.4 LED21.4 LED22.4 LED23.4 LED24.4 LED25.4 LED26.4 LED27.4 LED28.4 LED29.4 LED30.4 LED31.4 LED32.4 LED33.4 LED34.4 LED35.4 LED36.4 LED37.4 LED38.4 LED39.4 LED40.4 LED41.4 LED42.4 LED43.4 LED44.4 LED45.4 LED46.4 LED47.4 LED48.4 LED49.4 LED50.4 LED51.4 LED52.4 LED53.4 LED54.4 LED55.4 LED56.4 LED57.4 LED58.4 LED59.4 LED60.4 LED61.4 LED62.4 LED63.4 LED64.4 LED65.4 LED66.4 LED67.4 LED68.4 LED69.4 LED70.4 LED71.4 LED72.4 LED73.4 LED74.4 LED75.4 LED76.4 LED77.4 LED78.4 LED79.4 LED80.4 LED81.4 LED82.4 LED83.4 LED84.4 LED85.4 Q2.2 R1.2 R2.2 R6.2 R7.2 R8.2 R9.2 R13.1 SW86.C SW86.MP SW88.1 U2.1 U2.4 U2.6 U2.9 U3.4 U3.5 U3.8 U3.17 U5.2 U6.5 U6.21 U6.24
VBUS: F1.1 J1.A4 J1.A9 J1.B4 J1.B9 U5.5
VDD: C96.1 J3.1 L3.2 R4.1 R5.1 R20.2 U6.19
+BATT: BT1.1 BT2.1 C93.1 C94.1 C95.1 J10.4 J11.4 R16.1 U2.2 U2.3 U3.2 U3.3
+VSW: C91.1 C92.1 C98.1 F2.1 J2.3 J9.2 J12.2 U3.6 U3.10 U3.11 U6.23
/ILIM: R8.1 U3.12
/TMR: R7.1 U3.14
ALERT: J7.1 J14.1 U2.5 U6.13
COL0: SW1.1 SW14.1 SW31.1 SW48.1 SW61.1 SW75.1 TP2.1 U6.40
COL1: SW15.1 SW32.1 SW49.1 SW62.1 SW76.1 TP3.1 U6.38
COL2: SW2.1 SW16.1 SW33.1 SW50.1 SW63.1 SW77.1 TP4.1 U6.36
COL3: SW3.1 SW17.1 SW34.1 SW51.1 SW64.1 TP5.1 U6.34
COL4: SW4.1 SW18.1 SW35.1 SW52.1 SW65.1 TP6.1 U6.32
COL5: SW5.1 SW19.1 SW36.1 SW53.1 SW66.1 TP7.1 U6.30
COL6: SW6.1 SW20.1 SW37.1 SW54.1 SW67.1 SW78.1 TP8.1 U6.28
COL7: SW7.1 SW21.1 SW38.1 SW55.1 SW68.1 TP9.1 U6.20
COL8: SW8.1 SW22.1 SW39.1 SW56.1 SW69.1 TP10.1 U6.18
COL9: SW9.1 SW23.1 SW40.1 SW57.1 SW70.1 TP11.1 U6.16
COL10: SW24.1 SW41.1 SW58.1 SW71.1 SW79.1 TP12.1 U6.14
COL11: SW10.1 SW25.1 SW42.1 SW59.1 SW72.1 SW80.1 TP13.1 U6.12
COL12: SW11.1 SW12.1 SW26.1 SW43.1 SW60.1 SW81.1 TP14.1 U6.3
COL13: SW13.1 SW27.1 SW44.1 SW73.1 SW82.1 TP15.1 U6.4
COL14: SW28.1 SW45.1 SW83.1 TP16.1 U6.6
COL15: SW29.1 SW46.1 SW74.1 SW84.1 TP17.1 U6.7
COL16: SW30.1 SW47.1 SW85.1 SW86.S1 TP18.1 U6.8
DCCH: L3.1 U6.25
ENCODER_A: C99.1 R14.2 U6.35
ENCODER_B: C100.1 R17.2 U6.33
FREE: U6.42
LED_DATA: LED85.3 U6.9
LED_ENABLE: R12.2 U6.10
LED_PWR: JP1.1 Q1.3
LED_PWR_SJP: C3.1 C4.1 C5.1 C6.1 C7.1 C8.1 C9.1 C10.1 C11.1 C12.1 C13.1 C14.1 C15.1 C16.1 C17.1 C18.1 C19.1 C20.1 C21.1 C22.1 C23.1 C24.1 C25.1 C26.1 C27.1 C28.1 C29.1 C30.1 C31.1 C32.1 C33.1 C34.1 C35.1 C36.1 C37.1 C38.1 C39.1 C40.1 C41.1 C42.1 C43.1 C44.1 C45.1 C46.1 C47.1 C48.1 C49.1 C50.1 C51.1 C52.1 C53.1 C54.1 C55.1 C56.1 C57.1 C58.1 C59.1 C60.1 C61.1 C62.1 C63.1 C64.1 C65.1 C66.1 C67.1 C68.1 C69.1 C70.1 C71.1 C72.1 C73.1 C74.1 C75.1 C76.1 C77.1 C78.1 C79.1 C80.1 C81.1 C82.1 C83.1 C84.1 C85.1 C86.1 C87.1 JP1.2 LED1.1 LED2.1 LED3.1 LED4.1 LED5.1 LED6.1 LED7.1 LED8.1 LED9.1 LED10.1 LED11.1 LED12.1 LED13.1 LED14.1 LED15.1 LED16.1 LED17.1 LED18.1 LED19.1 LED20.1 LED21.1 LED22.1 LED23.1 LED24.1 LED25.1 LED26.1 LED27.1 LED28.1 LED29.1 LED30.1 LED31.1 LED32.1 LED33.1 LED34.1 LED35.1 LED36.1 LED37.1 LED38.1 LED39.1 LED40.1 LED41.1 LED42.1 LED43.1 LED44.1 LED45.1 LED46.1 LED47.1 LED48.1 LED49.1 LED50.1 LED51.1 LED52.1 LED53.1 LED54.1 LED55.1 LED56.1 LED57.1 LED58.1 LED59.1 LED60.1 LED61.1 LED62.1 LED63.1 LED64.1 LED65.1 LED66.1 LED67.1 LED68.1 LED69.1 LED70.1 LED71.1 LED72.1 LED73.1 LED74.1 LED75.1 LED76.1 LED77.1 LED78.1 LED79.1 LED80.1 LED81.1 LED82.1 LED83.1 LED84.1 LED85.1 TP27.1 TP28.1 TP29.1 TP30.1 TP31.1 TP32.1
LEDS_ROW1: LED13.3 LED14.2
LEDS_ROW2: LED30.3 LED31.2
LEDS_ROW3: LED47.3 LED48.2
LEDS_ROW4: LED60.3 LED61.2
LEDS_ROW5: LED74.3 LED75.2
ROW0: D1.1 D2.1 D3.1 D4.1 D5.1 D6.1 D7.1 D8.1 D9.1 D10.1 D11.1 D12.1 D13.1 D88.1 TP21.1 U6.43
ROW1: D14.1 D15.1 D16.1 D17.1 D18.1 D19.1 D20.1 D21.1 D22.1 D23.1 D24.1 D25.1 D26.1 D27.1 D28.1 D29.1 D30.1 TP22.1 U6.41
ROW2: D32.1 D33.1 D34.1 D35.1 D36.1 D37.1 D38.1 D39.1 D40.1 D41.1 D42.1 D43.1 D44.1 D45.1 D46.1 D47.1 D48.1 TP23.1 U6.22
ROW3: D49.1 D50.1 D51.1 D52.1 D53.1 D54.1 D55.1 D56.1 D57.1 D58.1 D59.1 D60.1 D61.1 TP24.1 U6.11
ROW4: D62.1 D63.1 D64.1 D65.1 D66.1 D67.1 D68.1 D69.1 D70.1 D71.1 D72.1 D73.1 D74.1 D75.1 TP25.1 U6.2
ROW5: D76.1 D77.1 D78.1 D79.1 D80.1 D81.1 D82.1 D83.1 D84.1 D85.1 D86.1 TP26.1 U6.1
RST: J3.3 SW88.2 U6.26
SCL: J2.2 J7.3 J14.3 R5.2 U2.7 U6.17
SDA: J2.1 J7.4 J14.4 R4.2 U2.8 U6.15
SWDCLK: J3.4 U6.39
SWDIO: J3.2 U6.37
SYSOFF: J10.2 J11.2 JP2.1 Q3.3 SW87.2
USB_D+: J1.A6 J1.B6 J5.6 J6.6 U5.1 U5.4 U6.31
USB_D-: J1.A7 J1.B7 J5.5 J6.5 U5.3 U5.6 U6.29
~{CHG}: D87.1 J10.3 J11.3 U3.9
Net-(C103-Pad1): C103.1 J1.A1 J1.A12 J1.B1 J1.B12 L2.2
Net-(D1-A): D1.2 SW1.2
Net-(D2-A): D2.2 SW2.2
Net-(D3-A): D3.2 SW3.2
Net-(D4-A): D4.2 SW4.2
Net-(D5-A): D5.2 SW5.2
Net-(D6-A): D6.2 SW6.2
Net-(D7-A): D7.2 SW7.2
Net-(D8-A): D8.2 SW8.2
Net-(D9-A): D9.2 SW9.2
Net-(D10-A): D10.2 SW10.2
Net-(D11-A): D11.2 SW11.2
Net-(D12-A): D12.2 SW12.2
Net-(D13-A): D13.2 SW13.2
Net-(D14-A): D14.2 SW14.2
Net-(D15-A): D15.2 SW15.2
Net-(D16-A): D16.2 SW16.2
Net-(D17-A): D17.2 SW17.2
Net-(D18-A): D18.2 SW18.2
Net-(D19-A): D19.2 SW19.2
Net-(D20-A): D20.2 SW20.2
Net-(D21-A): D21.2 SW21.2
Net-(D22-A): D22.2 SW22.2
Net-(D23-A): D23.2 SW23.2
Net-(D24-A): D24.2 SW24.2
Net-(D25-A): D25.2 SW25.2
Net-(D26-A): D26.2 SW26.2
Net-(D27-A): D27.2 SW27.2
Net-(D28-A): D28.2 SW28.2
Net-(D29-A): D29.2 SW29.2
Net-(D30-A): D30.2 SW30.2
Net-(D32-A): D32.2 SW31.2
Net-(D33-A): D33.2 SW32.2
Net-(D34-A): D34.2 SW33.2
Net-(D35-A): D35.2 SW34.2
Net-(D36-A): D36.2 SW35.2
Net-(D37-A): D37.2 SW36.2
Net-(D38-A): D38.2 SW37.2
Net-(D39-A): D39.2 SW38.2
Net-(D40-A): D40.2 SW39.2
Net-(D41-A): D41.2 SW40.2
Net-(D42-A): D42.2 SW41.2
Net-(D43-A): D43.2 SW42.2
Net-(D44-A): D44.2 SW43.2
Net-(D45-A): D45.2 SW44.2
Net-(D46-A): D46.2 SW45.2
Net-(D47-A): D47.2 SW46.2
Net-(D48-A): D48.2 SW47.2
Net-(D49-A): D49.2 SW48.2
Net-(D50-A): D50.2 SW49.2
Net-(D51-A): D51.2 SW50.2
Net-(D52-A): D52.2 SW51.2
Net-(D53-A): D53.2 SW52.2
Net-(D54-A): D54.2 SW53.2
Net-(D55-A): D55.2 SW54.2
Net-(D56-A): D56.2 SW55.2
Net-(D57-A): D57.2 SW56.2
Net-(D58-A): D58.2 SW57.2
Net-(D59-A): D59.2 SW58.2
Net-(D60-A): D60.2 SW59.2
Net-(D61-A): D61.2 SW60.2
Net-(D62-A): D62.2 SW61.2
Net-(D63-A): D63.2 SW62.2
Net-(D64-A): D64.2 SW63.2
Net-(D65-A): D65.2 SW64.2
Net-(D66-A): D66.2 SW65.2
Net-(D67-A): D67.2 SW66.2
Net-(D68-A): D68.2 SW67.2
Net-(D69-A): D69.2 SW68.2
Net-(D70-A): D70.2 SW69.2
